# Altium PCB node24.PcbDoc (part 3 of 10) (continued)
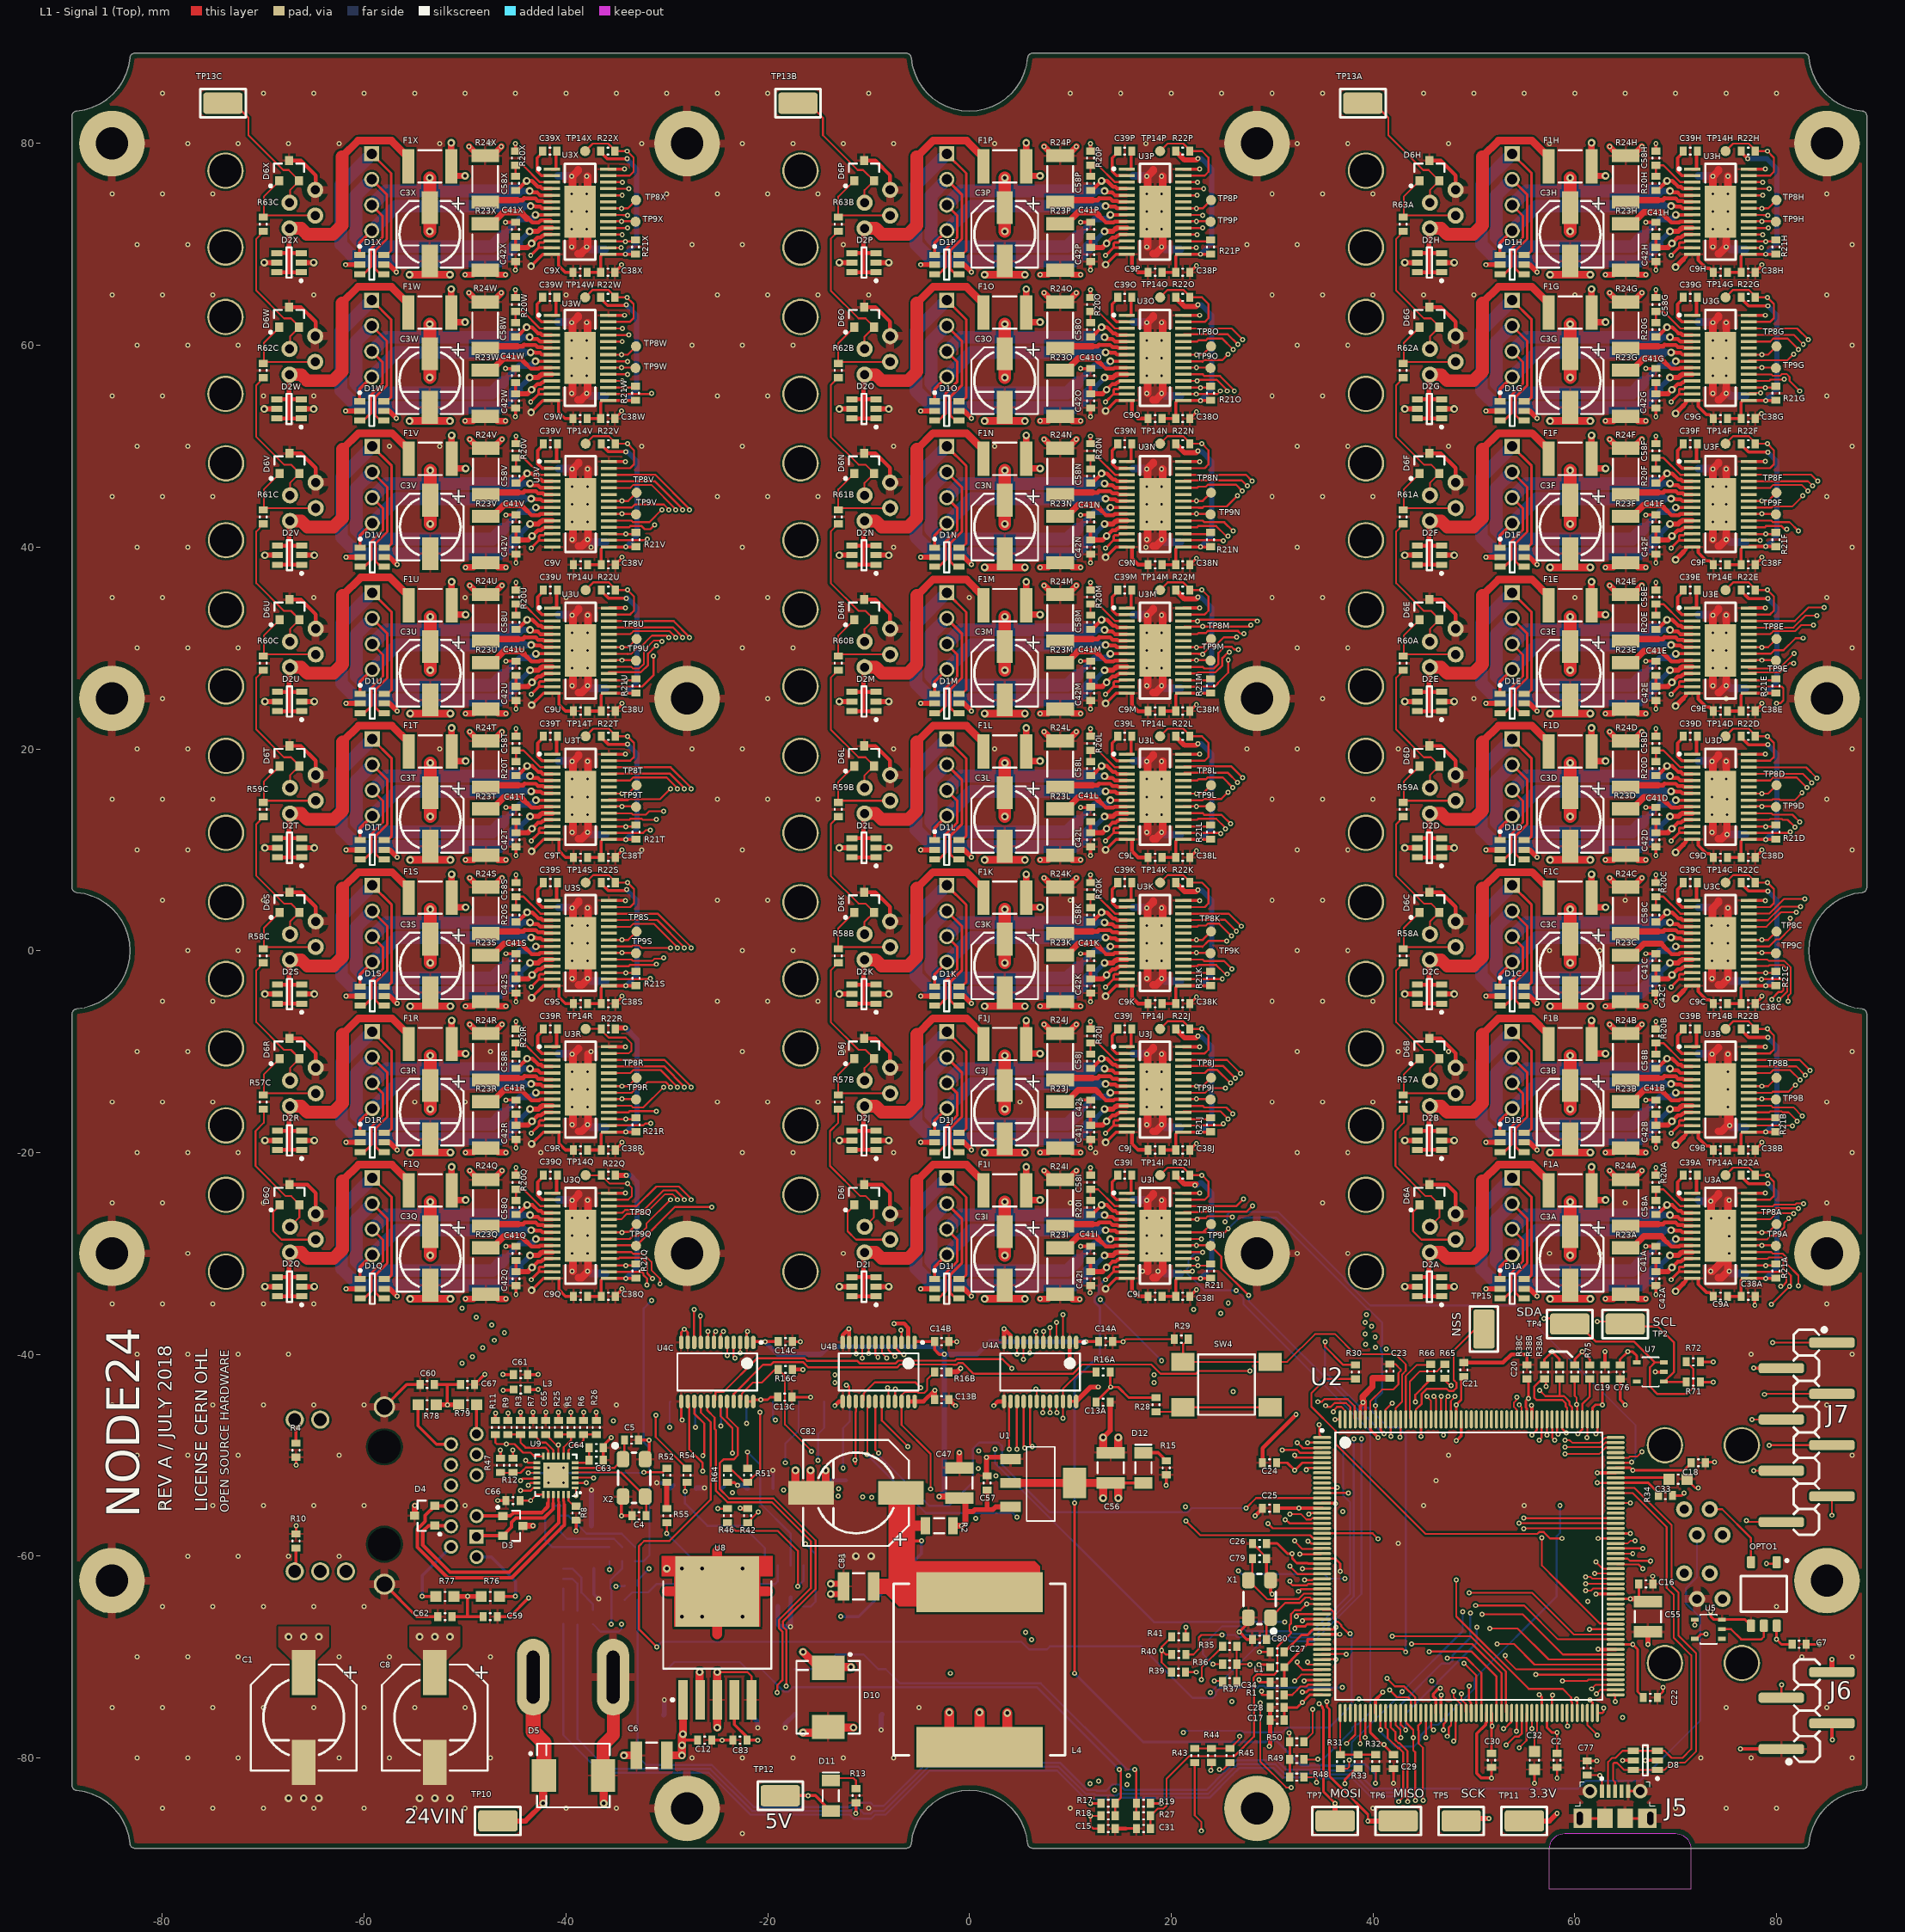
[diagram p0: L1 - Signal 1 (Top) view]
## Nets (pads, with @x,y where several pads share a name; then routed paths per layer and width w, separated by ;. In a path a pad name is that pad's centre, name@x,y a point inside that pad or via, vN(x,y) a via of type N, cw(c..) or ccw(c..) an arc to the next point about the centre after c; other vN are vias at no path point)
AOUT+A: D1A.3 J3A.3 U3A.5 | length 27.1
  L1 - Signal 1 (Top) w0.254: D1A.3@52.6,-34.45 53,-34.45 53.708,-33.742 53.708,-31.943 54.857,-30.794 54.857,-28.657 J3A.3@53.8,-27.6
  L1 - Signal 1 (Top) w0.381: v2(69.45,-26.196) 69.612,-26.359 70.209,-26.359 70.475,-26.625 U3A.5@71.65,-26.625
  L6 - Signal 4 (Bot) w0.635: 68.254,-26.196 v2(69.45,-26.196) v2@69.446,-26.2
  L6 - Signal 4 (Bot) w1.27: J3A.3@53.8,-27.6 55.204,-26.196 68.254,-26.196
AOUT+B: D1B.3 J3B.3 U3B.5 | length 27.1
  L1 - Signal 1 (Top) w0.254: D1B.3@52.6,-19.95 53,-19.95 53.708,-19.242 53.708,-17.443 54.857,-16.294 54.857,-14.157 J3B.3@53.8,-13.1
  L1 - Signal 1 (Top) w0.381: v2(69.45,-11.696) 69.612,-11.859 70.209,-11.859 70.475,-12.125 U3B.5@71.65,-12.125
  L6 - Signal 4 (Bot) w0.635: 68.254,-11.696 v2(69.45,-11.696) v2@69.446,-11.7
  L6 - Signal 4 (Bot) w1.27: J3B.3@53.8,-13.1 55.204,-11.696 68.254,-11.696
AOUT+C: D1C.3 J3C.3 U3C.5 | length 27.1
  L1 - Signal 1 (Top) w0.254: D1C.3@52.6,-5.45 53.05,-5.45 53.708,-4.792 53.708,-2.943 54.857,-1.794 54.857,0.343 J3C.3@53.8,1.4
  L1 - Signal 1 (Top) w0.381: v2(69.45,2.804) 69.612,2.641 70.209,2.641 70.475,2.375 U3C.5@71.65,2.375
  L6 - Signal 4 (Bot) w0.635: 68.254,2.804 v2(69.45,2.804) v2@69.446,2.8
  L6 - Signal 4 (Bot) w1.27: J3C.3@53.8,1.4 55.204,2.804 68.254,2.804
AOUT+D: D1D.3 J3D.3 U3D.5 | length 27.1
  L1 - Signal 1 (Top) w0.254: D1D.3@52.6,9.05 53,9.05 53.708,9.758 53.708,11.557 54.857,12.706 54.857,14.843 J3D.3@53.8,15.9
  L1 - Signal 1 (Top) w0.381: v2(69.45,17.304) 69.612,17.141 70.209,17.141 70.475,16.875 U3D.5@71.65,16.875
  L6 - Signal 4 (Bot) w0.635: 68.254,17.304 v2(69.45,17.304) v2@69.446,17.3
  L6 - Signal 4 (Bot) w1.27: J3D.3@53.8,15.9 55.204,17.304 68.254,17.304
AOUT+E: D1E.3 J3E.3 U3E.5 | length 27.1
  L1 - Signal 1 (Top) w0.254: D1E.3@52.6,23.55 53,23.55 53.708,24.258 53.708,26.057 54.857,27.206 54.857,29.343 J3E.3@53.8,30.4
  L1 - Signal 1 (Top) w0.381: v2(69.45,31.804) 69.612,31.641 70.209,31.641 70.475,31.375 U3E.5@71.65,31.375
  L6 - Signal 4 (Bot) w0.635: 68.254,31.804 v2(69.45,31.804) v2@69.446,31.8
  L6 - Signal 4 (Bot) w1.27: J3E.3@53.8,30.4 55.204,31.804 68.254,31.804
AOUT+F: D1F.3 J3F.3 U3F.5 | length 27.1
  L1 - Signal 1 (Top) w0.254: D1F.3@52.6,38.05 53,38.05 53.708,38.758 53.708,40.557 54.857,41.706 54.857,43.843 J3F.3@53.8,44.9
  L1 - Signal 1 (Top) w0.381: v2(69.45,46.304) 69.612,46.141 70.209,46.141 70.475,45.875 U3F.5@71.65,45.875
  L6 - Signal 4 (Bot) w0.635: 68.254,46.304 v2(69.45,46.304) v2@69.446,46.3
  L6 - Signal 4 (Bot) w1.27: J3F.3@53.8,44.9 55.204,46.304 68.254,46.304
AOUT+G: D1G.3 J3G.3 U3G.5 | length 27.1
  L1 - Signal 1 (Top) w0.254: D1G.3@52.6,52.55 53,52.55 53.708,53.258 53.708,55.057 54.857,56.206 54.857,58.343 J3G.3@53.8,59.4
  L1 - Signal 1 (Top) w0.381: v2(69.45,60.804) 69.612,60.641 70.209,60.641 70.475,60.375 U3G.5@71.65,60.375
  L6 - Signal 4 (Bot) w0.635: 68.254,60.804 v2(69.45,60.804) v2@69.446,60.8
  L6 - Signal 4 (Bot) w1.27: J3G.3@53.8,59.4 55.204,60.804 68.254,60.804
AOUT+H: D1H.3 J3H.3 U3H.5 | length 27.1
  L1 - Signal 1 (Top) w0.254: D1H.3@52.6,67.05 53,67.05 53.708,67.758 53.708,69.557 54.857,70.706 54.857,72.843 J3H.3@53.8,73.9
  L1 - Signal 1 (Top) w0.381: v2(69.45,75.304) 69.612,75.141 70.209,75.141 70.475,74.875 U3H.5@71.65,74.875
  L6 - Signal 4 (Bot) w0.635: 68.254,75.304 v2(69.45,75.304) v2@69.446,75.3
  L6 - Signal 4 (Bot) w1.27: J3H.3@53.8,73.9 55.204,75.304 68.254,75.304
AOUT+I: D1I.3 J3I.3 U3I.5 | length 27.1
  L1 - Signal 1 (Top) w0.254: D1I.3@-3.45,-34.45 -3.05,-34.45 -2.342,-33.742 -2.342,-31.943 -1.193,-30.794 -1.193,-28.657 J3I.3@-2.25,-27.6
  L1 - Signal 1 (Top) w0.381: v2(13.4,-26.196) 13.562,-26.359 14.159,-26.359 14.425,-26.625 U3I.5@15.6,-26.625
  L6 - Signal 4 (Bot) w0.635: 12.204,-26.196 v2(13.4,-26.196) v2@13.396,-26.2
  L6 - Signal 4 (Bot) w1.27: J3I.3@-2.25,-27.6 -0.846,-26.196 12.204,-26.196
AOUT+J: D1J.3 J3J.3 U3J.5 | length 27.1
  L1 - Signal 1 (Top) w0.254: D1J.3@-3.45,-19.95 -3.05,-19.95 -2.342,-19.242 -2.342,-17.443 -1.193,-16.294 -1.193,-14.157 J3J.3@-2.25,-13.1
  L1 - Signal 1 (Top) w0.381: v2(13.4,-11.696) 13.562,-11.859 14.159,-11.859 14.425,-12.125 U3J.5@15.6,-12.125
  L6 - Signal 4 (Bot) w0.635: 12.204,-11.696 v2(13.4,-11.696) v2@13.396,-11.7
  L6 - Signal 4 (Bot) w1.27: J3J.3@-2.25,-13.1 -0.846,-11.696 12.204,-11.696
AOUT+K: D1K.3 J3K.3 U3K.5 | length 27.1
  L1 - Signal 1 (Top) w0.254: D1K.3@-3.45,-5.45 -3.05,-5.45 -2.342,-4.742 -2.342,-2.943 -1.2,-1.801 -1.2,-1.585 -1.193,-1.578 -1.193,-0.695 -1.2,-0.695 -1.2,0.35 J3K.3@-2.25,1.4
  L1 - Signal 1 (Top) w0.381: v2(13.4,2.804) 13.562,2.641 14.159,2.641 14.425,2.375 U3K.5@15.6,2.375
  L6 - Signal 4 (Bot) w0.635: 12.204,2.804 v2(13.4,2.804) v2@13.396,2.8
  L6 - Signal 4 (Bot) w1.27: J3K.3@-2.25,1.4 -0.846,2.804 12.204,2.804
AOUT+L: D1L.3 J3L.3 U3L.5 | length 27.1
  L1 - Signal 1 (Top) w0.254: D1L.3@-3.45,9.05 -3.023,9.05 -2.4,9.673 -2.4,11.499 -1.193,12.706 -1.193,14.843 J3L.3@-2.25,15.9
  L1 - Signal 1 (Top) w0.381: v2(13.4,17.304) 13.562,17.141 14.159,17.141 14.425,16.875 U3L.5@15.6,16.875
  L6 - Signal 4 (Bot) w0.635: 12.204,17.304 v2(13.4,17.304) v2@13.396,17.3
  L6 - Signal 4 (Bot) w1.27: J3L.3@-2.25,15.9 -0.846,17.304 12.204,17.304
AOUT+M: D1M.3 J3M.3 U3M.5 | length 27.1
  L1 - Signal 1 (Top) w0.254: D1M.3@-3.45,23.55 -3.05,23.55 -2.342,24.258 -2.342,26.058 -1.193,27.207 -1.193,29.343 J3M.3@-2.25,30.4
  L1 - Signal 1 (Top) w0.381: v2(13.4,31.804) 13.562,31.641 14.159,31.641 14.425,31.375 U3M.5@15.6,31.375
  L6 - Signal 4 (Bot) w0.635: 12.204,31.804 v2(13.4,31.804) v2@13.396,31.8
  L6 - Signal 4 (Bot) w1.27: J3M.3@-2.25,30.4 -0.846,31.804 12.204,31.804
AOUT+N: D1N.3 J3N.3 U3N.5 | length 27.1
  L1 - Signal 1 (Top) w0.254: D1N.3@-3.45,38.05 -3.05,38.05 -2.342,38.758 -2.342,40.557 -1.193,41.706 -1.193,43.843 J3N.3@-2.25,44.9
  L1 - Signal 1 (Top) w0.381: v2(13.4,46.304) 13.562,46.141 14.159,46.141 14.425,45.875 U3N.5@15.6,45.875
  L6 - Signal 4 (Bot) w0.635: 12.204,46.304 v2(13.4,46.304) v2@13.396,46.3
  L6 - Signal 4 (Bot) w1.27: J3N.3@-2.25,44.9 -0.846,46.304 12.204,46.304
AOUT+O: D1O.3 J3O.3 U3O.5 | length 27.1
  L1 - Signal 1 (Top) w0.254: D1O.3@-3.45,52.55 -3.05,52.55 -2.342,53.258 -2.342,55.258 -1.193,56.407 -1.193,58.343 J3O.3@-2.25,59.4
  L1 - Signal 1 (Top) w0.381: v2(13.4,60.804) 13.562,60.641 14.159,60.641 14.425,60.375 U3O.5@15.6,60.375
  L6 - Signal 4 (Bot) w0.635: 12.204,60.804 v2(13.4,60.804) v2@13.396,60.8
  L6 - Signal 4 (Bot) w1.27: J3O.3@-2.25,59.4 -0.846,60.804 12.204,60.804
AOUT+P: D1P.3 J3P.3 U3P.5 | length 27.1
  L1 - Signal 1 (Top) w0.254: D1P.3@-3.45,67.05 -3.05,67.05 -2.342,67.758 -2.342,69.557 -1.193,70.706 -1.193,72.843 J3P.3@-2.25,73.9
  L1 - Signal 1 (Top) w0.381: v2(13.4,75.304) 13.562,75.141 14.159,75.141 14.425,74.875 U3P.5@15.6,74.875
  L6 - Signal 4 (Bot) w0.635: 12.204,75.304 v2(13.4,75.304) v2@13.396,75.3
  L6 - Signal 4 (Bot) w1.27: J3P.3@-2.25,73.9 -0.846,75.304 12.204,75.304
AOUT+Q: D1Q.3 J3Q.3 U3Q.5 | length 27.1
  L1 - Signal 1 (Top) w0.254: D1Q.3@-60.4,-34.45 -60,-34.45 -59.292,-33.742 -59.292,-31.943 -58.143,-30.794 -58.143,-28.657 J3Q.3@-59.2,-27.6
  L1 - Signal 1 (Top) w0.381: v2(-43.55,-26.196) -43.388,-26.359 -42.791,-26.359 -42.525,-26.625 U3Q.5@-41.35,-26.625
  L6 - Signal 4 (Bot) w0.635: -44.746,-26.196 v2(-43.55,-26.196) v2@-43.554,-26.2
  L6 - Signal 4 (Bot) w1.27: J3Q.3@-59.2,-27.6 -57.796,-26.196 -44.746,-26.196
AOUT+R: D1R.3 J3R.3 U3R.5 | length 27.1
  L1 - Signal 1 (Top) w0.254: D1R.3@-60.4,-19.95 -60,-19.95 -59.292,-19.242 -59.292,-17.443 -58.143,-16.294 -58.143,-14.157 J3R.3@-59.2,-13.1
  L1 - Signal 1 (Top) w0.381: v2(-43.55,-11.696) -43.388,-11.859 -42.791,-11.859 -42.525,-12.125 U3R.5@-41.35,-12.125
  L6 - Signal 4 (Bot) w0.635: -44.746,-11.696 v2(-43.55,-11.696) v2@-43.554,-11.7
  L6 - Signal 4 (Bot) w1.27: J3R.3@-59.2,-13.1 -57.796,-11.696 -44.746,-11.696
AOUT+S: D1S.3 J3S.3 U3S.5 | length 27.1
  L1 - Signal 1 (Top) w0.254: D1S.3@-60.4,-5.45 -60,-5.45 -59.292,-4.742 -59.292,-2.943 -58.143,-1.794 -58.143,0.343 J3S.3@-59.2,1.4
  L1 - Signal 1 (Top) w0.381: v2(-43.55,2.804) -43.388,2.641 -42.791,2.641 -42.525,2.375 U3S.5@-41.35,2.375
  L6 - Signal 4 (Bot) w0.635: -44.746,2.804 v2(-43.55,2.804) v2@-43.554,2.8
  L6 - Signal 4 (Bot) w1.27: J3S.3@-59.2,1.4 -57.796,2.804 -44.746,2.804
AOUT+T: D1T.3 J3T.3 U3T.5 | length 27.1
  L1 - Signal 1 (Top) w0.254: D1T.3@-60.4,9.05 -60,9.05 -59.292,9.758 -59.292,11.557 -58.143,12.706 -58.143,14.843 J3T.3@-59.2,15.9
  L1 - Signal 1 (Top) w0.381: v2(-43.55,17.304) -43.388,17.141 -42.791,17.141 -42.525,16.875 U3T.5@-41.35,16.875
  L6 - Signal 4 (Bot) w0.635: -44.746,17.304 v2(-43.55,17.304) v2@-43.554,17.3
  L6 - Signal 4 (Bot) w1.27: J3T.3@-59.2,15.9 -57.796,17.304 -44.746,17.304
AOUT+U: D1U.3 J3U.3 U3U.5 | length 27.1
  L1 - Signal 1 (Top) w0.254: D1U.3@-60.4,23.55 -60,23.55 -59.292,24.258 -59.292,26.057 -58.143,27.206 -58.143,29.343 J3U.3@-59.2,30.4
  L1 - Signal 1 (Top) w0.381: v2(-43.55,31.804) -43.388,31.641 -42.791,31.641 -42.525,31.375 U3U.5@-41.35,31.375
  L6 - Signal 4 (Bot) w0.635: -44.746,31.804 v2(-43.55,31.804) v2@-43.554,31.8
  L6 - Signal 4 (Bot) w1.27: J3U.3@-59.2,30.4 -57.796,31.804 -44.746,31.804
AOUT+V: D1V.3 J3V.3 U3V.5 | length 27.1
  L1 - Signal 1 (Top) w0.254: D1V.3@-60.4,38.05 -60,38.05 -59.292,38.758 -59.292,40.557 -58.143,41.706 -58.143,43.843 J3V.3@-59.2,44.9
  L1 - Signal 1 (Top) w0.381: v2(-43.55,46.304) -43.388,46.141 -42.791,46.141 -42.525,45.875 U3V.5@-41.35,45.875
  L6 - Signal 4 (Bot) w0.635: -44.746,46.304 v2(-43.55,46.304) v2@-43.554,46.3
  L6 - Signal 4 (Bot) w1.27: J3V.3@-59.2,44.9 -57.796,46.304 -44.746,46.304
AOUT+W: D1W.3 J3W.3 U3W.5 | length 27.1
  L1 - Signal 1 (Top) w0.254: D1W.3@-60.45,52.55 -60.05,52.55 -59.342,53.258 -59.342,55.057 -58.193,56.206 -58.193,58.343 J3W.3@-59.25,59.4
  L1 - Signal 1 (Top) w0.381: v2(-43.6,60.804) -43.438,60.641 -42.841,60.641 -42.575,60.375 U3W.5@-41.4,60.375
  L6 - Signal 4 (Bot) w0.635: -44.796,60.804 v2(-43.6,60.804) v2@-43.604,60.8
  L6 - Signal 4 (Bot) w1.27: J3W.3@-59.25,59.4 -57.846,60.804 -44.796,60.804
AOUT+X: D1X.3 J3X.3 U3X.5 | length 27.1
  L1 - Signal 1 (Top) w0.254: D1X.3@-60.45,67.05 -60.05,67.05 -59.342,67.758 -59.342,69.557 -58.193,70.706 -58.193,72.843 J3X.3@-59.25,73.9
  L1 - Signal 1 (Top) w0.381: v2(-43.6,75.304) -43.438,75.141 -42.841,75.141 -42.575,74.875 U3X.5@-41.4,74.875
  L6 - Signal 4 (Bot) w0.635: -44.796,75.304 v2(-43.6,75.304) v2@-43.604,75.3
  L6 - Signal 4 (Bot) w1.27: J3X.3@-59.25,73.9 -57.846,75.304 -44.796,75.304
AOUT-A: D1A.1 J3A.4 U3A.7 | length 21.9
  L1 - Signal 1 (Top) w0.305: D1A.1@52.6,-32.55 52.6,-31.34 J3A.4@53.8,-30.14
  L1 - Signal 1 (Top) w0.381: v2(69.55,-27.7) 69.962,-27.7 70.01,-27.748 70.498,-27.748 70.675,-27.925 U3A.7@71.65,-27.925
  L6 - Signal 4 (Bot) w0.635: 68.55,-27.7 v2(69.55,-27.7)
  L6 - Signal 4 (Bot) w1.27: J3A.4@53.8,-30.14 56.24,-27.7 68.55,-27.7
AOUT-B: D1B.1 J3B.4 U3B.7 | length 21.9
  L1 - Signal 1 (Top) w0.305: D1B.1@52.6,-18.05 52.6,-16.84 J3B.4@53.8,-15.64
  L1 - Signal 1 (Top) w0.381: v2(69.55,-13.2) 69.962,-13.2 70.01,-13.248 70.498,-13.248 70.675,-13.425 U3B.7@71.65,-13.425
  L6 - Signal 4 (Bot) w0.635: 68.55,-13.2 v2(69.55,-13.2)
  L6 - Signal 4 (Bot) w1.27: J3B.4@53.8,-15.64 56.24,-13.2 68.55,-13.2
AOUT-C: D1C.1 J3C.4 U3C.7 | length 21.9
  L1 - Signal 1 (Top) w0.305: D1C.1@52.6,-3.55 52.6,-2.34 J3C.4@53.8,-1.14
  L1 - Signal 1 (Top) w0.381: v2(69.55,1.3) 69.962,1.3 70.01,1.252 70.498,1.252 70.675,1.075 U3C.7@71.65,1.075
  L6 - Signal 4 (Bot) w0.635: 68.55,1.3 v2(69.55,1.3)
  L6 - Signal 4 (Bot) w1.27: J3C.4@53.8,-1.14 56.24,1.3 68.55,1.3
AOUT-D: D1D.1 J3D.4 U3D.7 | length 21.9
  L1 - Signal 1 (Top) w0.305: D1D.1@52.6,10.95 52.6,12.16 J3D.4@53.8,13.36
  L1 - Signal 1 (Top) w0.381: v2(69.55,15.8) 69.962,15.8 70.01,15.752 70.498,15.752 70.675,15.575 U3D.7@71.65,15.575
  L6 - Signal 4 (Bot) w0.635: 68.55,15.8 v2(69.55,15.8)
  L6 - Signal 4 (Bot) w1.27: J3D.4@53.8,13.36 56.24,15.8 68.55,15.8
AOUT-E: D1E.1 J3E.4 U3E.7 | length 21.9
  L1 - Signal 1 (Top) w0.305: D1E.1@52.6,25.45 52.6,26.66 J3E.4@53.8,27.86
  L1 - Signal 1 (Top) w0.381: v2(69.55,30.3) 69.962,30.3 70.01,30.252 70.498,30.252 70.675,30.075 U3E.7@71.65,30.075
  L6 - Signal 4 (Bot) w0.635: 68.55,30.3 v2(69.55,30.3)
  L6 - Signal 4 (Bot) w1.27: J3E.4@53.8,27.86 56.24,30.3 68.55,30.3
AOUT-F: D1F.1 J3F.4 U3F.7 | length 21.9
  L1 - Signal 1 (Top) w0.305: D1F.1@52.6,39.95 52.6,41.16 J3F.4@53.8,42.36
  L1 - Signal 1 (Top) w0.381: v2(69.55,44.8) 69.962,44.8 70.01,44.752 70.498,44.752 70.675,44.575 U3F.7@71.65,44.575
  L6 - Signal 4 (Bot) w0.635: 68.55,44.8 v2(69.55,44.8)
  L6 - Signal 4 (Bot) w1.27: J3F.4@53.8,42.36 56.24,44.8 68.55,44.8
AOUT-G: D1G.1 J3G.4 U3G.7 | length 21.9
  L1 - Signal 1 (Top) w0.305: D1G.1@52.6,54.45 52.6,55.66 J3G.4@53.8,56.86
  L1 - Signal 1 (Top) w0.381: v2(69.55,59.3) 69.962,59.3 70.01,59.252 70.498,59.252 70.675,59.075 U3G.7@71.65,59.075
  L6 - Signal 4 (Bot) w0.635: 68.55,59.3 v2(69.55,59.3)
  L6 - Signal 4 (Bot) w1.27: J3G.4@53.8,56.86 56.24,59.3 68.55,59.3
AOUT-H: D1H.1 J3H.4 U3H.7 | length 21.9
  L1 - Signal 1 (Top) w0.305: D1H.1@52.6,68.95 52.6,70.16 J3H.4@53.8,71.36
  L1 - Signal 1 (Top) w0.381: v2(69.55,73.8) 69.962,73.8 70.01,73.752 70.498,73.752 70.675,73.575 U3H.7@71.65,73.575
  L6 - Signal 4 (Bot) w0.635: 68.55,73.8 v2(69.55,73.8)
  L6 - Signal 4 (Bot) w1.27: J3H.4@53.8,71.36 56.24,73.8 68.55,73.8
AOUT-I: D1I.1 J3I.4 U3I.7 | length 21.9
  L1 - Signal 1 (Top) w0.305: D1I.1@-3.45,-32.55 -3.45,-31.34 J3I.4@-2.25,-30.14
  L1 - Signal 1 (Top) w0.381: v2(13.5,-27.7) 13.912,-27.7 13.96,-27.748 14.448,-27.748 14.625,-27.925 U3I.7@15.6,-27.925
  L6 - Signal 4 (Bot) w0.635: 12.5,-27.7 v2(13.5,-27.7)
  L6 - Signal 4 (Bot) w1.27: J3I.4@-2.25,-30.14 0.19,-27.7 12.5,-27.7
AOUT-J: D1J.1 J3J.4 U3J.7 | length 21.9
  L1 - Signal 1 (Top) w0.305: D1J.1@-3.45,-18.05 -3.45,-16.84 J3J.4@-2.25,-15.64
  L1 - Signal 1 (Top) w0.381: v2(13.5,-13.2) 13.912,-13.2 13.96,-13.248 14.448,-13.248 14.625,-13.425 U3J.7@15.6,-13.425
  L6 - Signal 4 (Bot) w0.635: 12.5,-13.2 v2(13.5,-13.2)
  L6 - Signal 4 (Bot) w1.27: J3J.4@-2.25,-15.64 0.19,-13.2 12.5,-13.2
AOUT-K: D1K.1 J3K.4 U3K.7 | length 21.9
  L1 - Signal 1 (Top) w0.305: D1K.1@-3.45,-3.55 -3.45,-2.34 J3K.4@-2.25,-1.14
  L1 - Signal 1 (Top) w0.381: v2(13.5,1.3) 13.912,1.3 13.96,1.252 14.448,1.252 14.625,1.075 U3K.7@15.6,1.075
  L6 - Signal 4 (Bot) w0.635: 12.5,1.3 v2(13.5,1.3)
  L6 - Signal 4 (Bot) w1.27: J3K.4@-2.25,-1.14 0.19,1.3 12.5,1.3
AOUT-L: D1L.1 J3L.4 U3L.7 | length 21.9
  L1 - Signal 1 (Top) w0.305: D1L.1@-3.45,10.95 -3.45,12.16 J3L.4@-2.25,13.36
  L1 - Signal 1 (Top) w0.381: v2(13.5,15.8) 13.912,15.8 13.96,15.752 14.448,15.752 14.625,15.575 U3L.7@15.6,15.575
  L6 - Signal 4 (Bot) w0.635: 12.5,15.8 v2(13.5,15.8)
  L6 - Signal 4 (Bot) w1.27: J3L.4@-2.25,13.36 0.19,15.8 12.5,15.8
AOUT-M: D1M.1 J3M.4 U3M.7 | length 21.9
  L1 - Signal 1 (Top) w0.305: D1M.1@-3.45,25.45 -3.45,26.66 J3M.4@-2.25,27.86
  L1 - Signal 1 (Top) w0.381: v2(13.5,30.3) 13.912,30.3 13.96,30.252 14.448,30.252 14.625,30.075 U3M.7@15.6,30.075
  L6 - Signal 4 (Bot) w0.635: 12.5,30.3 v2(13.5,30.3)
  L6 - Signal 4 (Bot) w1.27: J3M.4@-2.25,27.86 0.19,30.3 12.5,30.3
AOUT-N: D1N.1 J3N.4 U3N.7 | length 21.9
  L1 - Signal 1 (Top) w0.305: D1N.1@-3.45,39.95 -3.45,41.16 J3N.4@-2.25,42.36
  L1 - Signal 1 (Top) w0.381: v2(13.5,44.8) 13.912,44.8 13.96,44.752 14.448,44.752 14.625,44.575 U3N.7@15.6,44.575
  L6 - Signal 4 (Bot) w0.635: 12.5,44.8 v2(13.5,44.8)
  L6 - Signal 4 (Bot) w1.27: J3N.4@-2.25,42.36 0.19,44.8 12.5,44.8
AOUT-O: D1O.1 J3O.4 U3O.7 | length 21.9
  L1 - Signal 1 (Top) w0.305: D1O.1@-3.45,54.45 -3.45,55.66 J3O.4@-2.25,56.86
  L1 - Signal 1 (Top) w0.381: v2(13.5,59.3) 13.912,59.3 13.96,59.252 14.448,59.252 14.625,59.075 U3O.7@15.6,59.075
  L6 - Signal 4 (Bot) w0.635: 12.5,59.3 v2(13.5,59.3)
  L6 - Signal 4 (Bot) w1.27: J3O.4@-2.25,56.86 0.19,59.3 12.5,59.3
AOUT-P: D1P.1 J3P.4 U3P.7 | length 21.9
  L1 - Signal 1 (Top) w0.305: D1P.1@-3.45,68.95 -3.45,70.16 J3P.4@-2.25,71.36
  L1 - Signal 1 (Top) w0.381: v2(13.5,73.8) 13.912,73.8 13.96,73.752 14.448,73.752 14.625,73.575 U3P.7@15.6,73.575
  L6 - Signal 4 (Bot) w0.635: 12.5,73.8 v2(13.5,73.8)
  L6 - Signal 4 (Bot) w1.27: J3P.4@-2.25,71.36 0.19,73.8 12.5,73.8
AOUT-Q: D1Q.1 J3Q.4 U3Q.7 | length 21.9
  L1 - Signal 1 (Top) w0.305: D1Q.1@-60.4,-32.55 -60.4,-31.34 J3Q.4@-59.2,-30.14
  L1 - Signal 1 (Top) w0.381: v2(-43.45,-27.7) -43.038,-27.7 -42.99,-27.748 -42.502,-27.748 -42.325,-27.925 U3Q.7@-41.35,-27.925
  L6 - Signal 4 (Bot) w0.635: -44.45,-27.7 v2(-43.45,-27.7)
  L6 - Signal 4 (Bot) w1.27: J3Q.4@-59.2,-30.14 -56.76,-27.7 -44.45,-27.7
AOUT-R: D1R.1 J3R.4 U3R.7 | length 21.9
  L1 - Signal 1 (Top) w0.305: D1R.1@-60.4,-18.05 -60.4,-16.84 J3R.4@-59.2,-15.64
  L1 - Signal 1 (Top) w0.381: v2(-43.45,-13.2) -43.038,-13.2 -42.99,-13.248 -42.502,-13.248 -42.325,-13.425 U3R.7@-41.35,-13.425
  L6 - Signal 4 (Bot) w0.635: -44.45,-13.2 v2(-43.45,-13.2)
  L6 - Signal 4 (Bot) w1.27: J3R.4@-59.2,-15.64 -56.76,-13.2 -44.45,-13.2
AOUT-S: D1S.1 J3S.4 U3S.7 | length 21.9
  L1 - Signal 1 (Top) w0.305: D1S.1@-60.4,-3.55 -60.4,-2.34 J3S.4@-59.2,-1.14
  L1 - Signal 1 (Top) w0.381: v2(-43.45,1.3) -43.038,1.3 -42.99,1.252 -42.502,1.252 -42.325,1.075 U3S.7@-41.35,1.075
  L6 - Signal 4 (Bot) w0.635: -44.45,1.3 v2(-43.45,1.3)
  L6 - Signal 4 (Bot) w1.27: J3S.4@-59.2,-1.14 -56.76,1.3 -44.45,1.3
AOUT-T: D1T.1 J3T.4 U3T.7 | length 21.9
  L1 - Signal 1 (Top) w0.305: D1T.1@-60.4,10.95 -60.4,12.16 J3T.4@-59.2,13.36
  L1 - Signal 1 (Top) w0.381: v2(-43.45,15.8) -43.038,15.8 -42.99,15.752 -42.502,15.752 -42.325,15.575 U3T.7@-41.35,15.575
  L6 - Signal 4 (Bot) w0.635: -44.45,15.8 v2(-43.45,15.8)
  L6 - Signal 4 (Bot) w1.27: J3T.4@-59.2,13.36 -56.76,15.8 -44.45,15.8
AOUT-U: D1U.1 J3U.4 U3U.7 | length 21.9
  L1 - Signal 1 (Top) w0.305: D1U.1@-60.4,25.45 -60.4,26.66 J3U.4@-59.2,27.86
  L1 - Signal 1 (Top) w0.381: v2(-43.45,30.3) -43.038,30.3 -42.99,30.252 -42.502,30.252 -42.325,30.075 U3U.7@-41.35,30.075
  L6 - Signal 4 (Bot) w0.635: -44.45,30.3 v2(-43.45,30.3)
  L6 - Signal 4 (Bot) w1.27: J3U.4@-59.2,27.86 -56.76,30.3 -44.45,30.3
AOUT-V: D1V.1 J3V.4 U3V.7 | length 21.9
  L1 - Signal 1 (Top) w0.305: D1V.1@-60.4,39.95 -60.4,41.16 J3V.4@-59.2,42.36
  L1 - Signal 1 (Top) w0.381: v2(-43.45,44.8) -43.038,44.8 -42.99,44.752 -42.502,44.752 -42.325,44.575 U3V.7@-41.35,44.575
  L6 - Signal 4 (Bot) w0.635: -44.45,44.8 v2(-43.45,44.8)
  L6 - Signal 4 (Bot) w1.27: J3V.4@-59.2,42.36 -56.76,44.8 -44.45,44.8
AOUT-W: D1W.1 J3W.4 U3W.7 | length 21.9
  L1 - Signal 1 (Top) w0.305: D1W.1@-60.45,54.45 -60.45,55.66 J3W.4@-59.25,56.86
  L1 - Signal 1 (Top) w0.381: v2(-43.5,59.3) -43.088,59.3 -43.04,59.252 -42.552,59.252 -42.375,59.075 U3W.7@-41.4,59.075
  L6 - Signal 4 (Bot) w0.635: -44.5,59.3 v2(-43.5,59.3)
  L6 - Signal 4 (Bot) w1.27: J3W.4@-59.25,56.86 -56.81,59.3 -44.5,59.3
AOUT-X: D1X.1 J3X.4 U3X.7 | length 21.9
  L1 - Signal 1 (Top) w0.305: D1X.1@-60.45,68.95 -60.45,70.16 J3X.4@-59.25,71.36
  L1 - Signal 1 (Top) w0.381: v2(-43.5,73.8) -43.088,73.8 -43.04,73.752 -42.552,73.752 -42.375,73.575 U3X.7@-41.4,73.575
  L6 - Signal 4 (Bot) w0.635: -44.5,73.8 v2(-43.5,73.8)
  L6 - Signal 4 (Bot) w1.27: J3X.4@-59.25,71.36 -56.81,73.8 -44.5,73.8
AVDD-3V3: C34.1 L1.2 U2.41 U2.42 | length 8.2
  L1 - Signal 1 (Top) w0.25: C34.1@31.2,-72.5 31.2,-71.001 L1.2@31.198,-71 31.25,-71 31.953,-70.297 31.953,-70.253 33.456,-68.75 U2.42@34.95,-68.75 ; 33.5,-68.75 33.5,-68.25 33.948,-68.25 U2.41@34.95,-68.25
BOOT-SELECT: R29.2 SW4.1 SW4.2 U2.197 | length 32.8
  L1 - Signal 1 (Top) w0.18: R29.2@21.7,-38.5 21.175,-39.025 SW4.1@21.175,-40.75 SW4.2@29.825,-40.75 31.5,-40.75 34.25,-38 36.25,-38 38.25,-40 42.25,-40 43.25,-41 43.25,-41.64 42.889,-42.001 42.889,-44.692 42.25,-45.331 U2.197@42.25,-46.45
BOUT+A: D1A.6 J3A.1 U3A.10 | length 44.5
  L1 - Signal 1 (Top) w0.254: J3A.1@53.8,-22.52 55.726,-24.446 55.726,-32.124 55.3,-32.55 D1A.6@55,-32.55
  L1 - Signal 1 (Top) w0.508: v2(69.45,-30.2) 70.267,-30.2 70.515,-29.952 70.595,-29.952 70.672,-29.875 U3A.10@71.65,-29.875
  L6 - Signal 4 (Bot) w0.508: 68.15,-31.5 v2(69.45,-30.2)
  L6 - Signal 4 (Bot) w1.27: J3A.1@53.8,-22.52 50.75,-25.57 50.75,-31.5 52.406,-33.156 66.494,-33.156 68.15,-31.5
BOUT+B: D1B.6 J3B.1 U3B.10 | length 44.5
  L1 - Signal 1 (Top) w0.254: J3B.1@53.8,-8.02 55.726,-9.946 55.726,-17.624 55.3,-18.05 D1B.6@55,-18.05
  L1 - Signal 1 (Top) w0.508: v2(69.45,-15.7) 70.267,-15.7 70.515,-15.452 70.595,-15.452 70.672,-15.375 U3B.10@71.65,-15.375
  L6 - Signal 4 (Bot) w0.508: 68.15,-17 v2(69.45,-15.7)
  L6 - Signal 4 (Bot) w1.27: J3B.1@53.8,-8.02 50.75,-11.07 50.75,-17 52.406,-18.656 66.494,-18.656 68.15,-17
BOUT+C: D1C.6 J3C.1 U3C.10 | length 44.5
  L1 - Signal 1 (Top) w0.254: J3C.1@53.8,6.48 55.726,4.554 55.726,-3.124 55.3,-3.55 D1C.6@55,-3.55
  L1 - Signal 1 (Top) w0.508: v2(69.45,-1.2) 70.267,-1.2 70.515,-0.952 70.595,-0.952 70.672,-0.875 U3C.10@71.65,-0.875
  L6 - Signal 4 (Bot) w0.508: 68.15,-2.5 v2(69.45,-1.2)
  L6 - Signal 4 (Bot) w1.27: J3C.1@53.8,6.48 50.75,3.43 50.75,-2.5 52.406,-4.156 66.494,-4.156 68.15,-2.5
BOUT+D: D1D.6 J3D.1 U3D.10 | length 44.5
  L1 - Signal 1 (Top) w0.254: J3D.1@53.8,20.98 55.726,19.054 55.726,11.376 55.3,10.95 D1D.6@55,10.95
  L1 - Signal 1 (Top) w0.508: v2(69.45,13.3) 70.267,13.3 70.515,13.548 70.595,13.548 70.672,13.625 U3D.10@71.65,13.625
  L6 - Signal 4 (Bot) w0.508: 68.15,12 v2(69.45,13.3)
  L6 - Signal 4 (Bot) w1.27: J3D.1@53.8,20.98 50.75,17.93 50.75,12 52.406,10.344 66.494,10.344 68.15,12
BOUT+E: D1E.6 J3E.1 U3E.10 | length 44.5
  L1 - Signal 1 (Top) w0.254: J3E.1@53.8,35.48 55.726,33.554 55.726,25.876 55.3,25.45 D1E.6@55,25.45
  L1 - Signal 1 (Top) w0.508: v2(69.45,27.8) 70.267,27.8 70.515,28.048 70.595,28.048 70.672,28.125 U3E.10@71.65,28.125
  L6 - Signal 4 (Bot) w0.508: 68.15,26.5 v2(69.45,27.8)
  L6 - Signal 4 (Bot) w1.27: J3E.1@53.8,35.48 50.75,32.43 50.75,26.5 52.406,24.844 66.494,24.844 68.15,26.5
BOUT+F: D1F.6 J3F.1 U3F.10 | length 44.5
  L1 - Signal 1 (Top) w0.254: J3F.1@53.8,49.98 55.726,48.054 55.726,40.376 55.3,39.95 D1F.6@55,39.95
  L1 - Signal 1 (Top) w0.508: v2(69.45,42.3) 70.267,42.3 70.515,42.548 70.595,42.548 70.672,42.625 U3F.10@71.65,42.625
  L6 - Signal 4 (Bot) w0.508: 68.15,41 v2(69.45,42.3)
  L6 - Signal 4 (Bot) w1.27: J3F.1@53.8,49.98 50.75,46.93 50.75,41 52.406,39.344 66.494,39.344 68.15,41
BOUT+G: D1G.6 J3G.1 U3G.10 | length 44.5
  L1 - Signal 1 (Top) w0.254: J3G.1@53.8,64.48 55.726,62.554 55.726,54.876 55.3,54.45 D1G.6@55,54.45
  L1 - Signal 1 (Top) w0.508: v2(69.45,56.8) 70.267,56.8 70.515,57.048 70.595,57.048 70.672,57.125 U3G.10@71.65,57.125
  L6 - Signal 4 (Bot) w0.508: 68.15,55.5 v2(69.45,56.8)
  L6 - Signal 4 (Bot) w1.27: J3G.1@53.8,64.48 50.75,61.43 50.75,55.5 52.406,53.844 66.494,53.844 68.15,55.5
BOUT+H: D1H.6 J3H.1 U3H.10 | length 44.5
  L1 - Signal 1 (Top) w0.254: J3H.1@53.8,78.98 55.726,77.054 55.726,69.376 55.3,68.95 D1H.6@55,68.95
  L1 - Signal 1 (Top) w0.508: v2(69.45,71.3) 70.267,71.3 70.515,71.548 70.595,71.548 70.672,71.625 U3H.10@71.65,71.625
  L6 - Signal 4 (Bot) w0.508: 68.15,70 v2(69.45,71.3)
  L6 - Signal 4 (Bot) w1.27: J3H.1@53.8,78.98 50.75,75.93 50.75,70 52.406,68.344 66.494,68.344 68.15,70
BOUT+I: D1I.6 J3I.1 U3I.10 | length 44.5
  L1 - Signal 1 (Top) w0.254: J3I.1@-2.25,-22.52 -0.324,-24.446 -0.324,-32.124 -0.75,-32.55 D1I.6@-1.05,-32.55
  L1 - Signal 1 (Top) w0.508: v2(13.4,-30.2) 14.217,-30.2 14.465,-29.952 14.545,-29.952 14.622,-29.875 U3I.10@15.6,-29.875
  L6 - Signal 4 (Bot) w0.508: 12.1,-31.5 v2(13.4,-30.2)
  L6 - Signal 4 (Bot) w1.27: J3I.1@-2.25,-22.52 -5.3,-25.57 -5.3,-31.5 -3.644,-33.156 10.444,-33.156 12.1,-31.5
BOUT+J: D1J.6 J3J.1 U3J.10 | length 44.5
  L1 - Signal 1 (Top) w0.254: J3J.1@-2.25,-8.02 -0.324,-9.946 -0.324,-17.624 -0.75,-18.05 D1J.6@-1.05,-18.05
  L1 - Signal 1 (Top) w0.508: v2(13.4,-15.7) 14.217,-15.7 14.465,-15.452 14.545,-15.452 14.622,-15.375 U3J.10@15.6,-15.375
  L6 - Signal 4 (Bot) w0.508: 12.1,-17 v2(13.4,-15.7)
  L6 - Signal 4 (Bot) w1.27: J3J.1@-2.25,-8.02 -5.3,-11.07 -5.3,-17 -3.644,-18.656 10.444,-18.656 12.1,-17
BOUT+K: D1K.6 J3K.1 U3K.10 | length 44.5
  L1 - Signal 1 (Top) w0.254: J3K.1@-2.25,6.48 -0.324,4.554 -0.324,-3.124 -0.75,-3.55 D1K.6@-1.05,-3.55
  L1 - Signal 1 (Top) w0.508: v2(13.4,-1.2) 14.217,-1.2 14.465,-0.952 14.545,-0.952 14.622,-0.875 U3K.10@15.6,-0.875
  L6 - Signal 4 (Bot) w0.508: 12.1,-2.5 v2(13.4,-1.2)
  L6 - Signal 4 (Bot) w1.27: J3K.1@-2.25,6.48 -5.3,3.43 -5.3,-2.5 -3.644,-4.156 10.444,-4.156 12.1,-2.5
BOUT+L: D1L.6 J3L.1 U3L.10 | length 44.5
  L1 - Signal 1 (Top) w0.254: J3L.1@-2.25,20.98 -0.324,19.054 -0.324,11.376 -0.75,10.95 D1L.6@-1.05,10.95
  L1 - Signal 1 (Top) w0.508: v2(13.4,13.3) 14.217,13.3 14.465,13.548 14.545,13.548 14.622,13.625 U3L.10@15.6,13.625
  L6 - Signal 4 (Bot) w0.508: 12.1,12 v2(13.4,13.3)
  L6 - Signal 4 (Bot) w1.27: J3L.1@-2.25,20.98 -5.3,17.93 -5.3,12 -3.644,10.344 10.444,10.344 12.1,12
BOUT+M: D1M.6 J3M.1 U3M.10 | length 44.5
  L1 - Signal 1 (Top) w0.254: J3M.1@-2.25,35.48 -0.324,33.554 -0.324,25.876 -0.75,25.45 D1M.6@-1.05,25.45
  L1 - Signal 1 (Top) w0.508: v2(13.4,27.8) 14.217,27.8 14.465,28.048 14.545,28.048 14.622,28.125 U3M.10@15.6,28.125
  L6 - Signal 4 (Bot) w0.508: 12.1,26.5 v2(13.4,27.8)
  L6 - Signal 4 (Bot) w1.27: J3M.1@-2.25,35.48 -5.3,32.43 -5.3,26.5 -3.644,24.844 10.444,24.844 12.1,26.5
BOUT+N: D1N.6 J3N.1 U3N.10 | length 44.5
  L1 - Signal 1 (Top) w0.254: J3N.1@-2.25,49.98 -0.324,48.054 -0.324,40.376 -0.75,39.95 D1N.6@-1.05,39.95
  L1 - Signal 1 (Top) w0.508: v2(13.4,42.3) 14.217,42.3 14.465,42.548 14.545,42.548 14.622,42.625 U3N.10@15.6,42.625
  L6 - Signal 4 (Bot) w0.508: 12.1,41 v2(13.4,42.3)
  L6 - Signal 4 (Bot) w1.27: J3N.1@-2.25,49.98 -5.3,46.93 -5.3,41 -3.644,39.344 10.444,39.344 12.1,41
BOUT+O: D1O.6 J3O.1 U3O.10 | length 44.5
  L1 - Signal 1 (Top) w0.254: J3O.1@-2.25,64.48 -0.324,62.554 -0.324,54.876 -0.75,54.45 D1O.6@-1.05,54.45
  L1 - Signal 1 (Top) w0.508: v2(13.4,56.8) 14.217,56.8 14.465,57.048 14.545,57.048 14.622,57.125 U3O.10@15.6,57.125
  L6 - Signal 4 (Bot) w0.508: 12.1,55.5 v2(13.4,56.8)
  L6 - Signal 4 (Bot) w1.27: J3O.1@-2.25,64.48 -5.3,61.43 -5.3,55.5 -3.644,53.844 10.444,53.844 12.1,55.5
BOUT+P: D1P.6 J3P.1 U3P.10 | length 44.5
  L1 - Signal 1 (Top) w0.254: J3P.1@-2.25,78.98 -0.324,77.054 -0.324,69.376 -0.75,68.95 D1P.6@-1.05,68.95
  L1 - Signal 1 (Top) w0.508: v2(13.4,71.3) 14.217,71.3 14.465,71.548 14.545,71.548 14.622,71.625 U3P.10@15.6,71.625
  L6 - Signal 4 (Bot) w0.508: 12.1,70 v2(13.4,71.3)
  L6 - Signal 4 (Bot) w1.27: J3P.1@-2.25,78.98 -5.3,75.93 -5.3,70 -3.644,68.344 10.444,68.344 12.1,70
BOUT+Q: D1Q.6 J3Q.1 U3Q.10 | length 44.5
  L1 - Signal 1 (Top) w0.254: J3Q.1@-59.2,-22.52 -57.274,-24.446 -57.274,-32.124 -57.7,-32.55 D1Q.6@-58,-32.55
  L1 - Signal 1 (Top) w0.508: v2(-43.55,-30.2) -42.733,-30.2 -42.485,-29.952 -42.405,-29.952 -42.328,-29.875 U3Q.10@-41.35,-29.875
  L6 - Signal 4 (Bot) w0.508: -44.85,-31.5 v2(-43.55,-30.2)
  L6 - Signal 4 (Bot) w1.27: J3Q.1@-59.2,-22.52 -62.25,-25.57 -62.25,-31.5 -60.594,-33.156 -46.506,-33.156 -44.85,-31.5